# Altium PCB HIVE_BOARD_PCB ASCII REV Project_PCB_Rev.Project_SCH_Rev.PcbDoc (part 5 of 9) (continued)
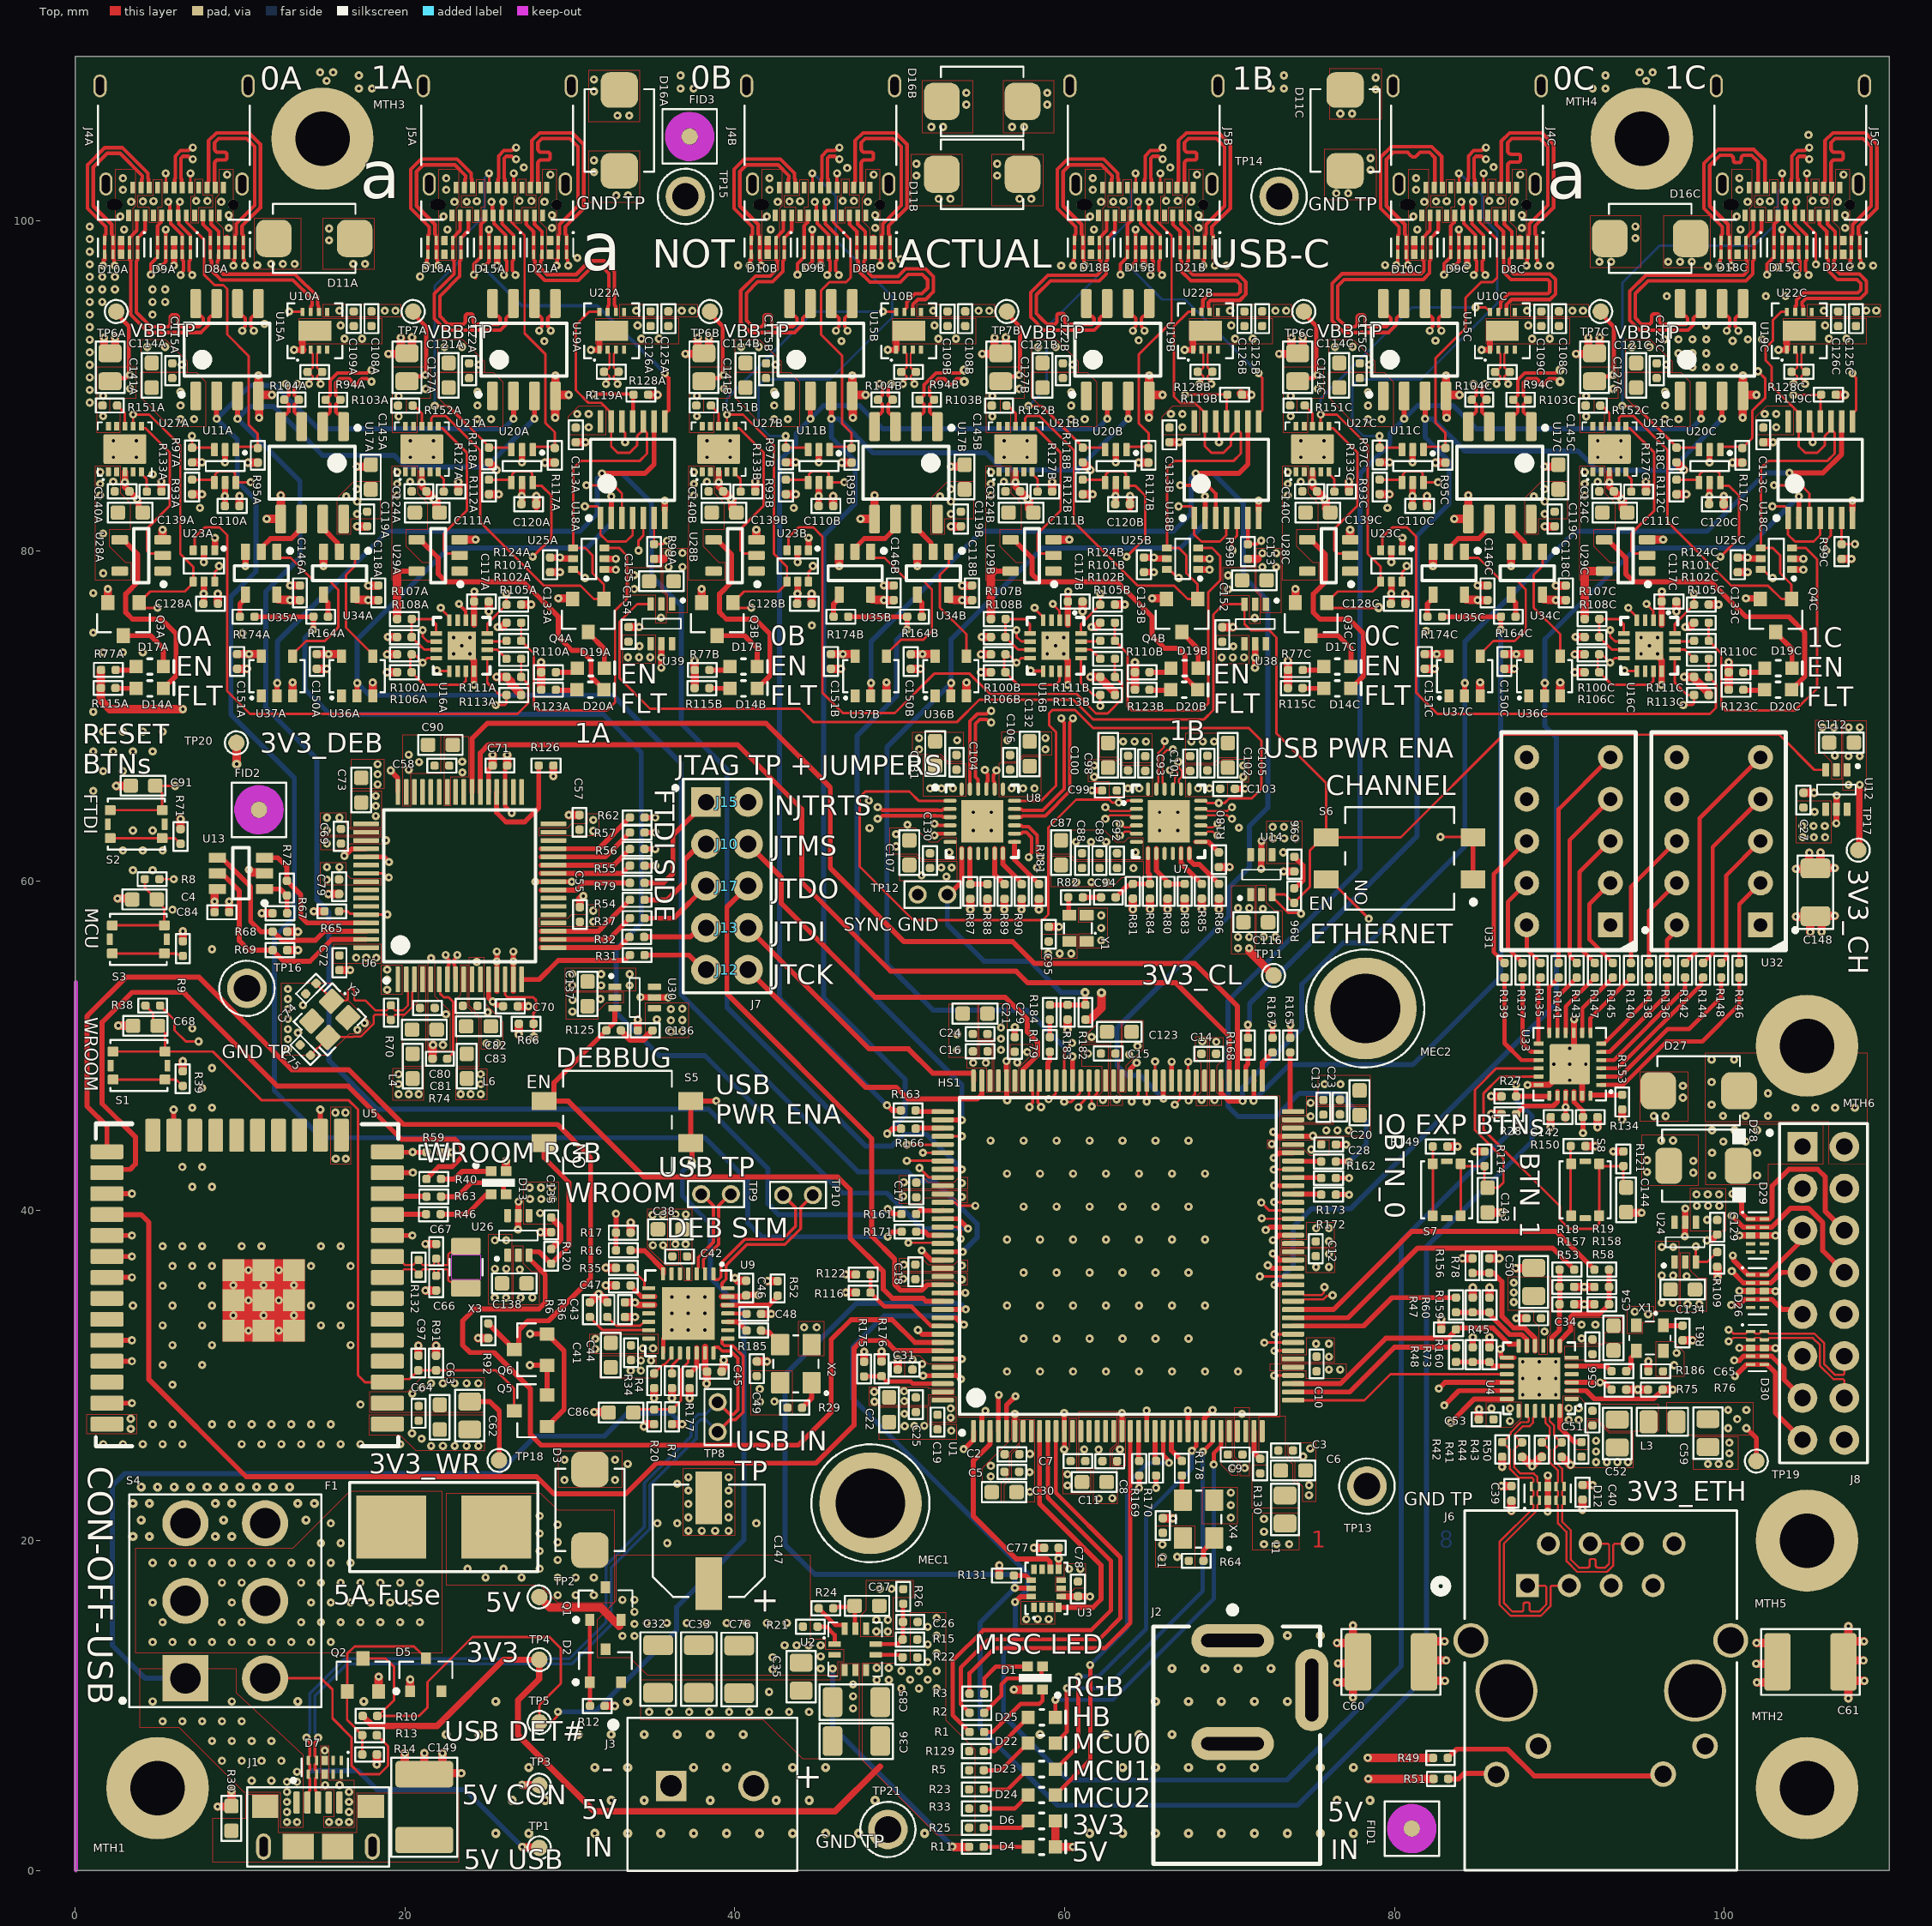
[diagram p0: Top view]
## Nets (pads, with @x,y where several pads share a name; then routed paths per layer and width w, separated by ;. In a path a pad name is that pad's centre, name@x,y a point inside that pad or via, vN(x,y) a via of type N, cw(c..) or ccw(c..) an arc to the next point about the centre after c; other vN are vias at no path point) (continued)
CHAN_OV_0A: R105A.2 R111A.2 U23A.3 | length 34.7
  Top w0.152: U23A.3@7.162,80.041 7.25,80.129 7.25,80.816 7.868,81.434 8.755,81.434 9.22,80.969 9.22,71.504 10.601,70.123 26.821,70.123 27.479,70.781 27.479,71.505 27.476,71.508 27.476,71.936 R111A.2@27.047,72.365 R105A.2@27.047,73.461
CHAN_OV_0B: R105B.2 R111B.2 U23B.3 | length 36.5
  Top w0.152: U23B.3@43.162,80.041 43.25,80.129 43.25,80.816 43.868,81.434 44.755,81.434 45.3,80.889 45.3,71.424 46.544,70.18 49.702,70.18 52.082,72.561 54.241,72.561 55.467,71.335 60.72,71.335 61.9,70.155 62.602,70.155 63.477,71.03 63.477,71.935 R111B.2@63.047,72.365 R105B.2@63.047,73.461
CHAN_OV_0C: R105C.2 R111C.2 U23C.3 | length 34.8
  Top w0.152: U23C.3@79.162,80.041 79.25,80.129 79.25,80.816 79.868,81.434 80.755,81.434 81.3,80.889 81.3,71.424 82.601,70.123 99.116,70.123 99.479,70.486 99.479,71.505 99.476,71.508 99.476,71.936 R111C.2@99.047,72.365 R105C.2@99.047,73.461
CHAN_OV_1A: R101A.2 R102A.2 U25A.3 | length 21.4
  Top w0.152: R101A.2@27.047,75.654 R102A.2@27.047,74.557 27.808,73.797 27.808,70.592 28.067,70.333 32.24,70.333 32.741,70.833 32.741,76.389 33.461,77.109 33.461,79.719 32.999,80.18 U25A.3@32.1,80.18
CHAN_OV_1B: R101B.2 R102B.2 U25B.3 | length 21.3
  Top w0.152: R101B.2@63.047,75.654 R102B.2@63.047,74.557 63.808,73.797 63.808,70.592 64.067,70.333 68.282,70.333 68.707,70.758 68.707,77.5 69.432,78.225 69.432,79.681 68.933,80.18 U25B.3@68.1,80.18
CHAN_OV_1C: R101C.2 R102C.2 U25C.3 | length 21.5
  Top w0.152: R101C.2@99.047,75.654 R102C.2@99.047,74.557 99.808,73.797 99.808,70.592 100.067,70.333 104.282,70.333 105.614,71.664 105.614,79.499 104.933,80.18 U25C.3@104.1,80.18
CHAN_RESET_0A: U1.113 U18A.5 | length 47.7
  Top w0.152: v1(34.164,80.031) 34.164,80.643 34.455,80.934 U18A.5@34.455,82 ; v1(50.427,44.008) 50.43,44.011 52.598,44.011 U1.113@52.601,44.014
  Signal_2 w0.152: v1(34.164,80.031) 34.778,79.417 34.778,77.44 45.116,67.101 45.116,48.986 48.341,45.761 49.572,45.761 50.423,44.91 50.423,44.011 v1(50.427,44.008)
CHAN_RESET_0B: U1.83 U18B.5 | length 45.9
  Top w0.127: v1(66.675,46.431) 66.976,46.732 U1.83@66.976,47.889
  Top w0.152: v1(70.164,80.031) 70.164,80.643 70.455,80.934 U18B.5@70.455,82
  Signal_2 w0.127: v1(66.675,46.431) 66.694,46.45 66.694,46.782 68.233,48.321 71.483,48.321 73.136,49.974
  Signal_2 w0.152: v1(70.164,80.031) 70.807,79.388 70.807,75.009 76.562,69.254 76.562,56.802 73.136,53.375 73.136,49.974
CHAN_RESET_0C: U1.44 U18C.5 | length 75.8
  Top w0.152: v1@72.107,32.01 U1.44@73.851,32.01 ; v1(106.164,80.031) 106.164,80.643 106.455,80.934 U18C.5@106.455,82
  Signal_2 w0.152: v1(72.104,32.007) 73.518,32.007 75.891,29.635 79.881,29.635 84.241,33.994 87.602,33.994 89.044,35.437 89.044,43.096 98.415,52.466 98.415,67.123 106.164,74.872 v1(106.164,80.031)
CHAN_RESET_1A: U1.112 U18A.12 | length 53
  Top w0.152: U18A.12@33.155,87.85 33.155,87.35 33.254,87.251 33.261,87.251 33.35,87.162 v1(33.35,86.594) ; U1.112@52.601,44.514 52.604,44.517 53.765,44.517 v1(53.768,44.519)
  Signal_2 w0.152: v1(33.35,86.594) 37.306,82.639 37.306,76.108 46.368,67.045 46.368,51.919 v1(53.768,44.519)
CHAN_RESET_1B: U1.81 U18B.12 | length 52.4
  Top w0.152: v1(67.513,46.685) 67.908,47.08 67.908,47.821 U1.81@67.982,47.895 ; U18B.12@69.155,87.85 69.155,87.35 69.254,87.251 69.261,87.251 69.35,87.162 v1(69.35,86.594)
  Signal_2 w0.152: v1(67.513,46.685) 68.151,47.323 71.91,47.323 74.432,49.845 74.432,53.63 77.516,56.714 77.516,70.202 73.374,74.345 73.374,82.571 v1(69.35,86.594)
CHAN_RESET_1C: U1.43 U18C.12 | length 84.5
  Top w0.152: v1@72.713,31.514 U1.43@73.851,31.514 ; U18C.12@105.155,87.85 105.155,87.35 105.254,87.251 105.261,87.251 105.35,87.162 v1(105.35,86.594)
  Signal_2 w0.152: v1(72.71,31.511) 75.555,28.665 80.454,28.665 84.641,32.853 88.429,32.853 90.581,35.004 90.581,39.546 94.603,43.568 94.603,45.764 100.02,51.181 100.02,66.843 108.477,75.3 108.477,83.468 v1(105.35,86.594)
CLK_0A_N: R94A.1 U7.4 U10A.2 | length 87.9
  Top w0.127: R94A.1@14.093,90.856 R94A.1@14.141,90.856 ; v1(14.186,90.125) 14.186,90.187 14.41,90.411 14.41,90.591 14.336,90.665 14.331,90.665 R94A.1@14.141,90.856 ; U10A.2@14.286,92.201 14.286,92.076 14.409,91.953 14.409,91.402 14.41,91.401 14.41,91.121 14.336,91.046 14.331,91.046 R94A.1@14.141,90.856 ; v1(63.348,63.464) 63.41,63.464 63.634,63.24 63.943,63.24 64.066,63.363 U7.4@64.354,63.363
  Signal_1 w0.102: v1(14.186,90.125) 14.186,90.185 14.385,90.384 14.385,90.864 14.704,91.184 15.333,91.184 15.88,90.636 15.88,87.534 13.415,85.069 13.415,80.964 11.594,79.144 11.594,74.802 17.884,68.512 39.601,68.512 41.501,66.612 42.452,65.661 42.452,61.261 45.347,58.367 53.271,58.367 55.062,60.157 55.062,61.339 56.988,63.265 63.064,63.265 63.263,63.464 v1(63.348,63.464)
CLK_0A_P: R94A.2 U7.5 U10A.3 | length 87.9
  Top w0.127: U10A.3@14.786,92.201 14.786,92.076 14.663,91.953 14.663,91.507 14.664,91.506 14.664,91.121 14.739,91.046 14.743,91.046 R94A.2@14.934,90.856 ; v1@14.889,90.187 14.664,90.411 14.664,90.591 14.739,90.665 14.743,90.665 R94A.2@14.934,90.856 ; R94A.2@14.982,90.856 R94A.2@14.934,90.856 ; v1(63.348,62.762) 63.41,62.762 63.634,62.986 63.943,62.986 64.066,62.863 U7.5@64.354,62.863
  Signal_1 w0.102: v1(14.889,90.125) 14.889,90.185 14.69,90.384 14.69,90.738 14.83,90.879 15.207,90.879 15.576,90.51 15.576,90.043 15.576,89.736 cw(c15.469,89.736) 15.469,89.629 15.307,89.629 ccw(c15.307,89.523) 15.201,89.523 15.201,89.38 ccw(c15.307,89.38) 15.307,89.274 15.469,89.274 cw(c15.469,89.167) 15.576,89.167 15.576,89.116 15.576,87.66 13.11,85.195 13.11,81.091 11.289,79.27 11.289,74.676 17.757,68.208 39.474,68.208 41.07,66.612 41.285,66.397 42.148,65.534 42.148,61.135 45.221,58.062 53.397,58.062 53.856,58.52 55.367,60.031 55.367,61.213 57.115,62.961 63.064,62.961 63.263,62.762 v1(63.348,62.762)
CLK_0B_N: R94B.1 U7.2 U10B.2 | length 87.9
  Top w0.127: R94B.1@50.093,90.856 R94B.1@50.141,90.856 ; v1(50.186,90.125) 50.186,90.187 50.41,90.411 50.41,90.591 50.336,90.665 50.331,90.665 R94B.1@50.141,90.856 ; U10B.2@50.286,92.201 50.286,92.076 50.409,91.953 50.409,91.402 50.41,91.401 50.41,91.121 50.336,91.046 50.331,91.046 R94B.1@50.141,90.856 ; v1(62.466,64.464) 62.528,64.464 62.752,64.24 63.943,64.24 64.066,64.363 U7.2@64.354,64.363
  Signal_1 w0.102: 47.418,87.122 47.218,86.922 ccw(c47.368,86.771) 47.217,86.62 48.812,85.025 ; 47.418,87.122 cw(c47.569,86.972) 47.721,87.122 49.368,85.475 ccw(c49.735,85.84) 50.102,85.474 50.302,85.675 ccw(c49.936,86.041) 50.347,86.357 50.347,86.363 48.694,88.016 ; 48.694,88.017 cw(c48.844,88.168) 48.694,88.319 ; 48.694,88.319 48.894,88.519 ; 48.812,84.29 48.669,84.147 48.304,83.782 47.536,83.782 47.166,83.412 47.166,83.032 47.362,82.836 49.929,82.836 50.666,82.099 50.666,80.078 49.836,79.248 48.748,79.248 47.071,80.924 46.253,80.924 45.619,80.29 45.619,78.699 45.619,78.496 ccw(c45.832,78.496) 45.832,78.282 47.924,78.282 cw(c47.924,77.764) 48.442,77.764 48.442,77.48 cw(c47.924,77.48) 47.924,76.962 45.832,76.962 ccw(c45.832,76.748) 45.619,76.748 45.619,76.006 45.619,75.823 47.621,73.821 47.621,66.012 47.892,65.741 48.016,65.741 48.219,65.741 ccw(c48.219,65.954) 48.433,65.954 48.433,70.844 cw(c48.951,70.844) 48.951,71.362 49.235,71.362 cw(c49.235,70.844) 49.753,70.844 49.753,65.954 ccw(c49.967,65.954) 49.967,65.741 50.621,65.741 52.465,67.585 57.383,67.585 60.703,64.265 62.183,64.265 62.382,64.464 v1(62.466,64.464) ; 48.812,84.29 ccw(c48.447,84.657) 48.812,85.024 ; 48.894,88.519 cw(c49.046,88.369) 49.196,88.52 50.753,86.964 ccw(c51.119,87.33) 51.486,86.964 51.799,87.277 ccw(c51.692,87.385) 51.8,87.278 51.863,87.341 51.863,87.501 51.863,90.711 51.631,90.942 51.542,91.031 50.794,91.031 50.385,90.622 50.385,90.384 50.186,90.185 v1(50.186,90.125)
CLK_0B_P: R94B.2 U7.3 U10B.3 | length 87.9
  Top w0.127: U10B.3@50.786,92.201 50.786,92.076 50.663,91.953 50.663,91.507 50.664,91.506 50.664,91.121 50.739,91.046 50.743,91.046 R94B.2@50.934,90.856 ; v1@50.889,90.187 50.664,90.411 50.664,90.591 50.739,90.665 50.743,90.665 R94B.2@50.934,90.856 ; R94B.2@50.982,90.856 R94B.2@50.934,90.856 ; v1(62.466,63.762) 62.528,63.762 62.752,63.986 63.943,63.986 64.066,63.863 U7.3@64.354,63.863
  Signal_1 w0.102: 47.003,86.403 cw(c47.368,86.771) 47.002,87.137 47.202,87.338 cw(c47.569,86.972) 47.885,87.383 47.891,87.383 47.935,87.339 ; 47.003,86.403 48.597,84.809 cw(c48.447,84.657) 48.598,84.507 ; 47.936,87.338 49.585,85.689 ccw(c49.735,85.84) 49.886,85.69 ; 48.597,84.506 48.454,84.363 48.178,84.087 47.41,84.087 46.861,83.538 46.861,82.906 47.236,82.532 49.802,82.532 50.361,81.973 50.361,80.204 49.709,79.553 48.874,79.553 47.197,81.229 46.126,81.229 45.314,80.417 45.314,78.699 45.314,78.496 ccw(c45.832,78.496) 45.832,77.978 47.924,77.978 cw(c47.924,77.764) 48.138,77.764 48.138,77.48 cw(c47.924,77.48) 47.924,77.266 45.832,77.266 ccw(c45.832,76.748) 45.314,76.748 45.314,76.006 45.314,75.697 47.317,73.695 47.317,65.886 47.766,65.436 48.016,65.436 48.219,65.436 ccw(c48.219,65.954) 48.737,65.954 48.737,70.844 cw(c48.951,70.844) 48.951,71.058 49.235,71.058 cw(c49.235,70.844) 49.449,70.844 49.449,65.954 ccw(c49.967,65.954) 49.967,65.436 50.621,65.436 50.747,65.436 52.591,67.28 57.257,67.28 60.577,63.961 62.183,63.961 62.382,63.762 v1(62.466,63.762) ; 49.887,85.69 50.086,85.89 ccw(c49.936,86.041) 50.087,86.193 48.478,87.801 cw(c48.844,88.168) 48.478,88.535 48.679,88.735 cw(c49.046,88.369) 49.412,88.735 50.968,87.18 ; v1(50.889,90.125) 50.889,90.185 50.69,90.384 50.69,90.496 50.921,90.726 51.416,90.726 51.558,90.584 51.558,89.862 51.558,89.456 cw(c51.451,89.456) 51.451,89.349 51.29,89.349 ccw(c51.29,89.242) 51.184,89.242 51.184,89.1 ccw(c51.29,89.1) 51.29,88.993 51.451,88.993 cw(c51.451,88.887) 51.558,88.887 51.558,88.624 51.558,87.806 51.558,87.467 51.271,87.18 cw(c51.119,87.33) 50.968,87.179
CLK_0C_N: R94C.1 U7.22 U10C.2 | length 87.9
  Top w0.127: U7.22@66.054,65.563 66.054,65.851 65.931,65.974 65.931,67.663 66.2,67.933 66.517,67.933 v1(66.561,67.976) ; R94C.1@86.093,90.856 R94C.1@86.141,90.856 ; v1(86.186,90.125) 86.186,90.187 86.41,90.411 86.41,90.591 86.336,90.665 86.331,90.665 R94C.1@86.141,90.856 ; U10C.2@86.286,92.201 86.286,92.076 86.409,91.953 86.409,91.402 86.41,91.401 86.41,91.121 86.336,91.046 86.331,91.046 R94C.1@86.141,90.856
  Signal_1 w0.102: v1(66.561,67.976) 66.621,68.036 66.621,68.318 67.896,69.592 69.943,69.592 71.162,69.592 cw(c71.162,69.379) 71.376,69.379 71.376,67.439 ccw(c71.894,67.439) 71.894,66.921 72.178,66.921 ccw(c72.178,67.439) 72.696,67.439 72.696,70.007 cw(c72.91,70.007) 72.91,70.22 73.194,70.22 cw(c73.194,70.007) 73.408,70.007 73.408,67.439 ccw(c73.926,67.439) 73.926,66.921 74.21,66.921 ccw(c74.21,67.439) 74.728,67.439 74.728,70.007 cw(c74.942,70.007) 74.942,70.22 75.226,70.22 cw(c75.226,70.007) 75.44,70.007 75.44,67.439 ccw(c75.958,67.439) 75.958,66.921 76.242,66.921 ccw(c76.242,67.439) 76.76,67.439 76.76,70.007 cw(c76.974,70.007) 76.974,70.22 77.258,70.22 cw(c77.258,70.007) 77.472,70.007 77.472,67.439 ccw(c77.99,67.439) 77.99,66.921 78.274,66.921 ccw(c78.274,67.439) 78.792,67.439 78.792,69.379 cw(c79.006,69.379) 79.006,69.592 80.057,69.592 80.311,69.592 83.665,72.946 83.665,77.976 84.013,78.324 84.156,78.467 ccw(c84.049,78.575) 84.157,78.468 ccw(c83.79,78.834) 84.201,79.149 84.201,79.155 82.977,80.38 ; 82.976,80.38 cw(c83.127,80.531) 82.976,80.682 ; 82.977,80.683 83.176,80.882 cw(c83.328,80.732) 83.479,80.883 84.659,79.703 ccw(c85.026,80.069) 85.393,79.704 85.67,79.981 ccw(c85.563,80.089) 85.671,79.982 85.814,80.125 87.862,82.173 87.862,83.785 87.862,83.988 ccw(c87.344,83.988) 87.344,84.506 84.478,84.506 cw(c84.478,84.72) 84.265,84.72 84.265,85.004 cw(c84.478,85.004) 84.478,85.217 87.663,85.217 ccw(c87.663,85.736) 88.181,85.736 88.181,86.02 ccw(c87.663,86.02) 87.663,86.538 84.478,86.538 cw(c84.478,86.752) 84.265,86.752 84.265,87.036 cw(c84.478,87.036) 84.478,87.249 87.344,87.249 ccw(c87.344,87.768) 87.862,87.768 87.862,88.489 87.862,90.927 87.375,91.415 86.716,91.415 86.385,91.083 86.385,90.384 86.186,90.185 v1(86.186,90.125)
CLK_0C_P: R94C.2 U7.23 U10C.3 | length 87.9
  Top w0.127: U7.23@65.554,65.563 65.554,65.851 65.677,65.974 65.677,67.769 66.021,68.112 66.021,68.429 v1(66.064,68.473) ; U10C.3@86.786,92.201 86.786,92.076 86.663,91.953 86.663,91.507 86.664,91.506 86.664,91.121 86.739,91.046 86.743,91.046 R94C.2@86.934,90.856 ; v1@86.889,90.187 86.664,90.411 86.664,90.591 86.739,90.665 86.743,90.665 R94C.2@86.934,90.856 ; R94C.2@86.982,90.856 R94C.2@86.934,90.856
  Signal_1 w0.102: v1(66.064,68.473) 66.124,68.533 66.406,68.533 67.77,69.897 69.943,69.897 71.162,69.897 cw(c71.162,69.379) 71.68,69.379 71.68,67.439 ccw(c71.894,67.439) 71.894,67.225 72.178,67.225 ccw(c72.178,67.439) 72.392,67.439 72.392,70.007 cw(c72.91,70.007) 72.91,70.525 73.194,70.525 cw(c73.194,70.007) 73.712,70.007 73.712,67.439 ccw(c73.926,67.439) 73.926,67.225 74.21,67.225 ccw(c74.21,67.439) 74.424,67.439 74.424,70.007 cw(c74.942,70.007) 74.942,70.525 75.226,70.525 cw(c75.226,70.007) 75.744,70.007 75.744,67.439 ccw(c75.958,67.439) 75.958,67.225 76.242,67.225 ccw(c76.242,67.439) 76.456,67.439 76.456,70.007 cw(c76.974,70.007) 76.974,70.525 77.258,70.525 cw(c77.258,70.007) 77.776,70.007 77.776,67.439 ccw(c77.99,67.439) 77.99,67.225 78.274,67.225 ccw(c78.274,67.439) 78.488,67.439 78.488,69.379 cw(c79.006,69.379) 79.006,69.897 80.057,69.897 80.185,69.897 83.36,73.073 83.36,78.102 83.797,78.539 83.94,78.682 ccw(c83.79,78.834) 83.94,78.985 82.761,80.165 cw(c83.127,80.531) 82.761,80.898 82.961,81.098 cw(c83.328,80.732) 83.695,81.098 84.874,79.919 ; 84.874,79.919 ccw(c85.026,80.069) 85.177,79.919 85.455,80.197 cw(c85.563,80.089) 85.456,80.198 85.599,80.341 87.558,82.3 87.558,83.785 87.558,83.988 ccw(c87.344,83.988) 87.344,84.201 84.478,84.201 cw(c84.478,84.72) 83.96,84.72 83.96,85.004 cw(c84.478,85.004) 84.478,85.522 87.663,85.522 ccw(c87.663,85.736) 87.876,85.736 87.876,86.02 ccw(c87.663,86.02) 87.663,86.233 84.478,86.233 cw(c84.478,86.752) 83.96,86.752 83.96,87.036 cw(c84.478,87.036) 84.478,87.554 87.344,87.554 ccw(c87.344,87.768) 87.558,87.768 87.558,88.489 87.558,89.039 87.558,89.09 ccw(c87.451,89.09) 87.451,89.196 87.016,89.196 cw(c87.016,89.303) 86.909,89.303 86.909,89.445 cw(c87.016,89.445) 87.016,89.552 87.451,89.552 ccw(c87.451,89.658) 87.558,89.658 87.558,89.939 87.558,90.801 87.249,91.11 86.843,91.11 86.69,90.957 86.69,90.384 86.889,90.185 v1(86.889,90.125)
CLK_1A_N: R128A.1 U7.20 U22A.2 | length 87.9
  Top w0.127: R128A.1@32.093,90.856 R128A.1@32.141,90.856 ; v1(32.186,90.125) 32.186,90.187 32.41,90.411 32.41,90.591 32.336,90.665 32.331,90.665 R128A.1@32.141,90.856 ; U22A.2@32.286,92.201 32.286,92.076 32.409,91.953 32.409,91.402 32.41,91.401 32.41,91.121 32.336,91.046 32.331,91.046 R128A.1@32.141,90.856 ; v1(66.883,67.213) 66.926,67.169 66.926,66.852 67.106,66.673 67.106,66.328 66.931,66.153 66.931,65.974 67.054,65.851 U7.20@67.054,65.563
  Signal_1 w0.102: 32.159,98.668 32.114,98.712 32.108,98.712 ccw(c31.793,98.301) 31.426,98.667 31.226,98.467 ccw(c31.592,98.1) 31.226,97.733 33.224,95.734 cw(c33.074,95.583) 33.225,95.432 33.082,95.288 32.36,94.566 32.36,90.384 32.186,90.211 v1(32.186,90.125) ; 32.159,98.667 34.174,96.653 ccw(c34.324,96.804) 34.475,96.654 ; 32.663,99.169 cw(c33.028,99.537) 32.662,99.903 32.863,100.104 cw(c33.23,99.738) 33.545,100.149 33.551,100.149 33.596,100.105 ; 32.663,99.169 34.675,97.157 cw(c34.525,97.005) 34.676,96.854 34.476,96.654 ; 33.596,100.104 35.595,98.105 ; 35.596,98.105 ccw(c35.747,98.255) 35.898,98.105 36.788,98.994 cw(c36.896,98.887) 36.789,98.995 36.838,99.045 37.026,99.045 45.423,99.045 45.977,98.49 50.442,98.49 50.966,97.967 50.966,93.606 53.31,91.262 53.31,86.929 51.941,85.56 51.941,79.832 52.631,79.142 52.631,71.084 54.843,68.873 55.834,68.873 56.22,69.259 56.89,69.259 57.529,68.619 57.953,68.195 58.602,67.546 59.06,67.546 59.29,67.776 66.038,67.776 66.542,67.273 66.823,67.273 v1(66.883,67.213)
CLK_1A_P: R128A.2 U7.21 U22A.3 | length 87.9
  Top w0.127: U22A.3@32.786,92.201 32.786,92.076 32.663,91.953 32.663,91.507 32.664,91.506 32.664,91.121 32.739,91.046 32.743,91.046 R128A.2@32.934,90.856 ; v1@32.889,90.187 32.664,90.411 32.664,90.591 32.739,90.665 32.743,90.665 R128A.2@32.934,90.856 ; R128A.2@32.982,90.856 R128A.2@32.934,90.856 ; v1(66.386,66.716) 66.43,66.672 66.747,66.672 66.852,66.568 66.852,66.433 66.677,66.259 66.677,65.974 66.554,65.851 U7.21@66.554,65.563
  Signal_1 w0.102: 31.441,98.251 ccw(c31.592,98.1) 31.44,97.949 33.44,95.95 cw(c33.074,95.583) 33.44,95.215 33.297,95.072 32.664,94.44 32.664,92.126 32.664,91.745 ccw(c32.771,91.745) 32.771,91.638 33.154,91.638 cw(c33.154,91.531) 33.26,91.531 33.26,91.389 cw(c33.154,91.389) 33.154,91.282 32.771,91.282 ccw(c32.771,91.176) 32.664,91.176 32.664,90.769 32.664,90.409 32.889,90.185 v1(32.889,90.125) ; 31.441,98.251 31.641,98.451 cw(c31.793,98.301) 31.944,98.451 33.957,96.439 ccw(c34.324,96.804) 34.691,96.438 34.891,96.639 ccw(c34.525,97.005) 34.936,97.321 34.936,97.327 34.892,97.371 ; 33.078,99.888 32.878,99.688 ccw(c33.028,99.537) 32.877,99.386 34.891,97.372 ; 33.078,99.888 cw(c33.23,99.738) 33.381,99.888 35.379,97.89 ccw(c35.747,98.255) 36.114,97.889 ; 36.114,97.889 36.964,98.74 37.064,98.74 45.296,98.74 45.851,98.185 50.295,98.185 50.661,97.819 50.661,93.48 53.005,91.136 53.005,87.055 51.636,85.686 51.636,79.706 52.327,79.015 52.327,70.958 54.716,68.568 55.96,68.568 56.346,68.954 56.763,68.954 57.224,68.493 57.63,68.087 58.476,67.242 59.186,67.242 59.416,67.472 65.912,67.472 66.326,67.057 66.326,66.776 v1(66.386,66.716)
CLK_1B_N: R128B.1 U7.16 U22B.2 | length 87.9
  Top w0.127: R128B.1@68.093,90.856 R128B.1@68.141,90.856 ; v1(68.186,90.125) 68.186,90.187 68.41,90.411 68.41,90.591 68.336,90.665 68.331,90.665 R128B.1@68.141,90.856 ; U7.16@68.254,63.863 68.542,63.863 68.665,63.986 69.855,63.986 70.08,63.762 v1(70.141,63.762) ; U22B.2@68.286,92.201 68.286,92.076 68.409,91.953 68.409,91.402 68.41,91.401 68.41,91.121 68.336,91.046 68.331,91.046 R128B.1@68.141,90.856
  Signal_1 w0.102: v1(68.186,90.125) 68.186,90.193 68.385,90.392 68.385,95.116 72.35,99.081 84.5,99.081 84.847,98.735 89.709,98.735 90.177,98.267 90.177,92.451 89.656,91.93 89.041,91.93 88.658,91.547 88.658,90.103 89.738,89.024 89.845,88.916 90.104,88.657 90.104,82.356 90.104,82.152 ccw(c90.318,82.152) 90.318,81.939 92.233,81.939 cw(c92.233,81.421) 92.751,81.421 92.751,81.136 cw(c92.233,81.136) 92.233,80.618 90.318,80.618 ccw(c90.318,80.405) 90.104,80.405 90.104,79.574 90.104,78.889 88.301,77.086 88.301,72.557 86.508,70.763 84.126,70.763 77.324,63.961 70.425,63.961 70.226,63.762 v1(70.141,63.762)
CLK_1B_P: R128B.2 U7.17 U22B.3 | length 87.9
  Top w0.127: U7.17@68.254,64.363 68.542,64.363 68.665,64.24 69.855,64.24 70.08,64.464 v1(70.141,64.464) ; U22B.3@68.786,92.201 68.786,92.076 68.663,91.953 68.663,91.507 68.664,91.506 68.664,91.121 68.739,91.046 68.743,91.046 R128B.2@68.934,90.856 ; v1@68.889,90.187 68.664,90.411 68.664,90.591 68.739,90.665 68.743,90.665 R128B.2@68.934,90.856 ; R128B.2@68.982,90.856 R128B.2@68.934,90.856
  Signal_1 w0.102: v1(68.889,90.125) 68.889,90.185 68.69,90.384 68.69,90.601 68.69,91.008 cw(c68.796,91.008) 68.796,91.114 69.463,91.114 ccw(c69.463,91.221) 69.57,91.221 69.57,91.363 ccw(c69.463,91.363) 69.463,91.47 68.796,91.47 cw(c68.796,91.577) 68.69,91.577 68.69,91.847 68.69,94.99 72.476,98.776 84.374,98.776 84.72,98.43 89.583,98.43 89.872,98.14 89.872,92.577 89.53,92.235 88.915,92.235 88.354,91.673 88.354,89.977 89.8,88.531 89.8,82.356 89.8,82.152 ccw(c90.318,82.152) 90.318,81.634 92.233,81.634 cw(c92.233,81.421) 92.446,81.421 92.446,81.136 cw(c92.233,81.136) 92.233,80.923 90.318,80.923 ccw(c90.318,80.405) 89.8,80.405 89.8,79.574 89.8,79.015 87.997,77.212 87.997,72.683 86.381,71.068 84,71.068 77.198,64.265 70.425,64.265 70.226,64.464 v1(70.141,64.464)
CLK_1C_N: R128C.1 U7.14 U22C.2 | length 87.9
  Top w0.127: U7.14@68.254,62.863 68.542,62.863 68.665,62.986 68.974,62.986 69.198,62.762 v1(69.26,62.762) ; R128C.1@104.093,90.856 R128C.1@104.141,90.856 ; v1(104.186,90.125) 104.186,90.187 104.41,90.411 104.41,90.591 104.336,90.665 104.331,90.665 R128C.1@104.141,90.856 ; U22C.2@104.286,92.201 104.286,92.076 104.409,91.953 104.409,91.402 104.41,91.401 104.41,91.121 104.336,91.046 104.331,91.046 R128C.1@104.141,90.856
  Signal_1 w0.102: v1(69.26,62.762) 69.345,62.762 69.544,62.961 69.666,62.961 70.028,62.598 70.028,62.01 69.696,61.679 67.55,61.679 66.69,60.819 66.69,59.903 67.577,59.017 74.746,59.017 84.463,68.733 96.922,68.733 101.501,73.312 101.644,73.455 ccw(c101.279,73.822) 101.644,74.189 100.619,75.215 cw(c100.77,75.365) 100.62,75.516 100.82,75.716 ; 100.82,75.717 cw(c100.971,75.566) 101.123,75.716 ; 101.123,75.716 102.217,74.622 ; 102.217,74.622 ccw(c102.584,74.988) 102.951,74.622 103.152,74.822 ccw(c102.786,75.189) 103.197,75.504 103.197,75.511 102.297,76.41 cw(c102.447,76.562) 102.297,76.713 ; 102.297,76.713 102.497,76.913 cw(c102.648,76.763) 102.799,76.914 103.584,76.129 ccw(c103.951,76.495) 104.318,76.129 ; v1(104.186,90.125) 104.186,90.185 104.385,90.384 104.385,91.021 104.93,91.566 105.996,91.566 106.617,90.945 106.617,89.014 107.021,88.611 107.021,86.343 107.021,84.486 cw(c106.502,84.486) 106.502,83.968 105.718,83.968 ccw(c105.718,83.755) 105.505,83.755 105.505,83.47 ccw(c105.718,83.47) 105.718,83.257 106.801,83.257 cw(c106.801,82.739) 107.319,82.739 107.319,82.454 cw(c106.801,82.454) 106.801,81.936 105.404,81.936 ccw(c105.404,81.723) 105.191,81.723 105.191,81.438 ccw(c105.404,81.438) 105.404,81.225 106.502,81.225 cw(c106.502,80.707) 107.021,80.707 107.021,80.504 107.021,78.832 106.146,77.957 106.003,77.814 cw(c105.894,77.921) 106.002,77.813 104.318,76.129
CLK_1C_P: R128C.2 U7.15 U22C.3 | length 87.9
  Top w0.127: U7.15@68.254,63.363 68.542,63.363 68.665,63.24 68.974,63.24 69.198,63.464 v1(69.26,63.464) ; U22C.3@104.786,92.201 104.786,92.076 104.663,91.953 104.663,91.507 104.664,91.506 104.664,91.121 104.739,91.046 104.743,91.046 R128C.2@104.934,90.856 ; v1@104.889,90.187 104.664,90.411 104.664,90.591 104.739,90.665 104.743,90.665 R128C.2@104.934,90.856 ; R128C.2@104.982,90.856 R128C.2@104.934,90.856
  Signal_1 w0.102: v1(69.26,63.464) 69.345,63.464 69.544,63.265 69.792,63.265 70.333,62.725 70.333,61.884 69.823,61.374 67.676,61.374 66.995,60.693 66.995,60.03 67.703,59.321 74.62,59.321 84.336,69.038 96.795,69.038 101.286,73.528 101.429,73.671 ccw(c101.279,73.822) 101.429,73.974 100.405,74.998 ; 100.405,74.998 cw(c100.77,75.365) 100.404,75.732 100.605,75.932 cw(c100.971,75.566) 101.287,75.977 101.293,75.977 101.337,75.933 102.434,74.836 ccw(c102.584,74.988) 102.736,74.837 ; 102.736,74.838 102.936,75.037 ; 102.936,75.34 cw(c102.786,75.189) 102.936,75.038 ; 102.936,75.341 102.081,76.195 cw(c102.447,76.562) 102.081,76.929 102.282,77.129 cw(c102.648,76.763) 103.015,77.129 ; 103.015,77.129 103.8,76.344 ; 103.801,76.344 ccw(c103.951,76.495) 104.102,76.345 105.786,78.028 cw(c105.894,77.921) 105.787,78.029 105.93,78.172 106.716,78.958 106.716,80.504 106.716,80.707 ccw(c106.502,80.707) 106.502,80.92 105.404,80.92 cw(c105.404,81.438) 104.886,81.438 104.886,81.723 cw(c105.404,81.723) 105.404,82.241 106.801,82.241 ccw(c106.801,82.454) 107.014,82.454 107.014,82.739 ccw(c106.801,82.739) 106.801,82.952 105.718,82.952 cw(c105.718,83.47) 105.2,83.47 105.2,83.755 cw(c105.718,83.755) 105.718,84.273 106.502,84.273 ccw(c106.502,84.486) 106.716,84.486 106.716,86.343 106.716,88.485 106.312,88.888 106.312,90.819 105.87,91.262 105.819,91.262 ccw(c105.819,91.155) 105.713,91.155 105.713,90.488 cw(c105.606,90.488) 105.606,90.382 105.464,90.382 cw(c105.464,90.488) 105.357,90.488 105.357,91.155 ccw(c105.25,91.155) 105.25,91.262 105.056,91.262 104.69,90.895 104.69,90.384 104.889,90.185 v1(104.889,90.125)
CLK_OE_0#: U1.88 U7.1 U8.1 | length 56.3
  Top w0.152: U8.1@53.054,64.863 53.03,64.839 51.175,64.839 50.592,65.422 47.922,65.422 47.575,65.076 47.575,60.871 50.819,57.627 58.667,57.627 59.004,57.964 59.004,63.236 60.691,64.922 62.713,64.922 62.887,64.748 v1(63.276,64.748) 63.671,64.748 63.786,64.863 U7.1@64.354,64.863 ; v1(64.065,46.626) 64.476,47.038 U1.88@64.476,47.889
  Signal_2 w0.152: v1(63.276,64.748) 64.045,63.979 64.045,62.902 65.709,61.238 65.709,52.734 63.282,50.307 63.282,48.642 64.065,47.859 v1(64.065,46.626)
CLK_OE_1#: U1.87 U7.18 U8.18 | length 49.3
  Top w0.127: v1@64.976,46.627 U1.87@64.976,47.889
  Top w0.152: U8.18@56.978,64.839 58.548,64.839 59.466,65.757 59.466,69.03 59.065,69.431 59.065,70.167 59.256,70.358 60.633,70.358 61.733,69.258 71.175,69.258 71.927,68.506 71.927,65.585 71.34,64.999 69.977,64.999 69.706,64.727 69.35,64.727 v1(69.342,64.719) 68.665,64.719 68.521,64.863 U7.18@68.254,64.863
  Signal_2 w0.127: v1(64.976,46.626) 64.973,46.63 64.973,50.703 67.689,53.419 67.689,58.681 68.537,59.529 68.537,63.915 v1(69.342,64.719)
DEB_PWR_EN: R125.2 S5.3 U1.132 U30.3 | length 38.9
  Top w0.305: S5.3@28.435,46.643 S5.3@28.635,46.643 ; U30.3@32.724,52.281 32.724,51.454 R125.2@32.205,50.935 29.033,47.763 29.033,47.041 S5.3@28.635,46.643 ; U1.132@52.601,34.514 51.598,34.514 51.416,34.696 49.552,34.696 49.005,35.244 49.005,36.317 46.992,38.33 46.992,41.297 46.246,42.043 34.51,42.043 29.91,46.643 S5.3@28.635,46.643
EN_WROOM: C68.1 C97.2 Q5.3 R38.1 R91.1 S1.3 S1.4 U5.3 | length 47.5
  Top w0.152: S1.4@2.305,49.655 S1.3@5.455,49.655 ; R38.1@4.267,52.439 4.719,51.986 4.719,51.494 4.999,51.215 C68.1@5.011,51.215 5.024,51.215 5.455,50.783 S1.3@5.455,49.655 ; Q5.3@26.623,27.873 26.623,29.22 25.517,30.326 R91.1@21.889,30.326 C97.2@20.812,30.326 20.28,29.794 19.116,29.794 U5.3@18.932,29.609 17.576,29.609 17.152,30.033 17.152,46.143 16.601,46.694 11.318,46.694 8.357,49.655 S1.3@5.455,49.655
ETH_GND: C60.1 C61.1 J6.13 J6.14 | length 6.7
  Top w0.508: C60.1@82.42,13.894 v1@83.034,13.894 ; C60.1@82.438,11.506 v1@83.052,11.506 ; C60.1@82.509,12.74 v1@83.124,12.74 ; v1@101.934,12.534 C61.1@102.569,12.534 ; v1(101.943,13.798) 101.949,13.791 102.667,13.791 103.213,13.245 103.213,11.955 102.667,11.409 v1(101.961,11.409)
  other v1: 83.052,11.501 101.927,12.54 83.124,12.735 83.034,13.889
ETH_PWR_EN: R109.2 S6.4 U1.40 U24.3 | length 73.2
  Top w0.152: v1(72.707,30.008) 72.71,30.011 73.848,30.011 U1.40@73.851,30.014 ; S6.4@75.852,60.095 76.052,60.095 78.439,57.709 v1(78.439,57.706) ; U24.3@98.268,36.899 v1(98.267,37.838) ; U24.3@98.269,36.898 98.96,36.898 R109.2@99.56,37.498
  Signal_1 w0.152: v1(72.707,30.008) 70.472,32.243 70.472,43.397 74.722,47.647 74.722,53.731 78.382,57.391 78.382,57.649 v1(78.439,57.706)
  Signal_2 w0.152: v1(72.707,30.008) 75.088,27.626 81.754,27.626 84.635,30.508 86.088,30.508 87.355,31.775 96.809,31.775 98.986,33.952 98.986,37.119 v1(98.267,37.838)